# Altium PCB 10X SD CARD READER PCB.PcbDoc (part 3 of 4)
Units mm, origin at the board's own origin, x right, y up, seen from the top; angles counter-clockwise.
Board outline 157.35 x 86.61 mm, 6 copper layers (Top Layer, Int1_GND1, Int2 Sig1, Int3_PWR1, Int4_GND2, Bottom Layer), stack 1.538 mm thick; 309 components, 269 nets, 1221 pads, 584 vias.
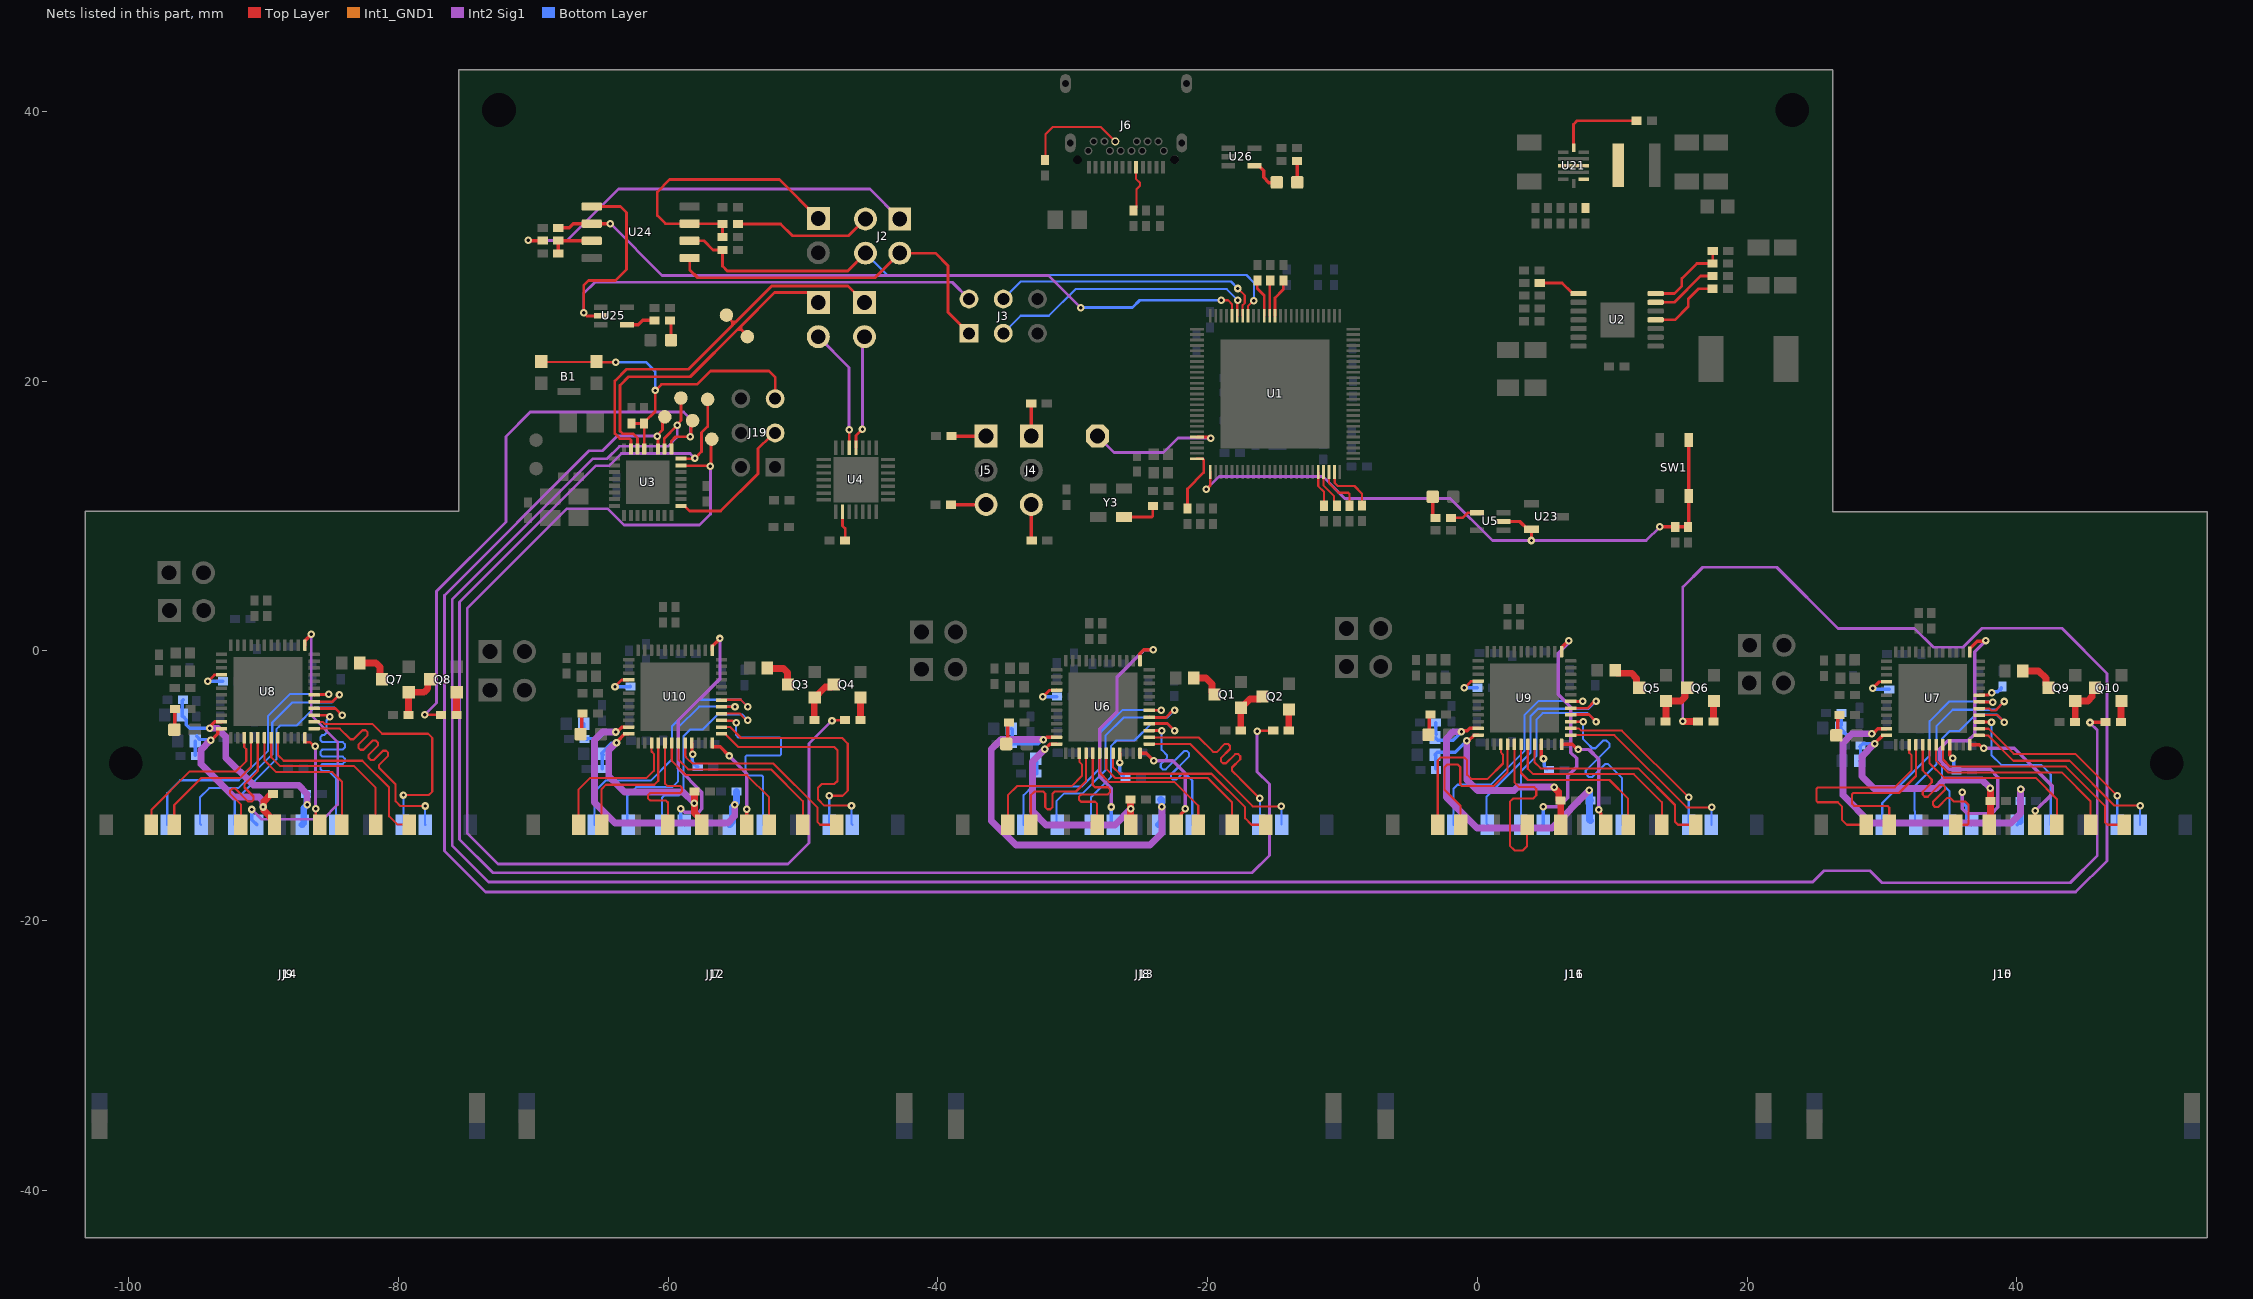
[diagram p7: the nets of this part, all layers, seen from the top]

## Via types
v1: diameter 0.559, hole 0.254, Top Layer to Bottom Layer, tented both sides, 572 vias
v2: diameter 0.457, hole 0.203, Top Layer to Bottom Layer, tented both sides, 12 vias

## Nets (pads, with @x,y where several pads share a name; then routed paths per layer and width w, separated by ;. In a path a pad name is that pad's centre, name@x,y a point inside that pad or via, vN(x,y) a via of type N, cw(c..) or ccw(c..) an arc to the next point about the centre after c; other vN are vias at no path point) (continued)
NetC133_2: C133.2 U6.33 | length 1.8
  Top Layer w0.254: v1(-26.515,-8.283) U6.33@-26.515,-7.598
  Bottom Layer w0.254: v1(-26.515,-8.283) -26.515,-8.995 -26.35,-9.16 -26.35,-9.177 -26.256,-9.271 C133.2@-26.238,-9.271
NetC134_2: C134.2 U10.33 | length 2
  Top Layer w0.254: U10.33@-58.236,-6.836 -58.236,-7.626 v1(-58.191,-7.671)
  Bottom Layer w0.254: v1@-58.2,-7.679 -58.2,-8.221 -58.058,-8.363 -58.058,-8.438 -57.885,-8.611 C134.2@-57.81,-8.611
NetC135_2: C135.2 U9.33 | length 2
  Top Layer w0.254: U9.33@4.741,-6.938 4.741,-7.84 4.902,-8.001 v1(4.904,-8.001)
  Bottom Layer w0.254: v1(4.904,-8.001) 4.963,-8.059 4.963,-8.544 5.07,-8.652 5.07,-8.669 5.164,-8.763 C135.2@5.182,-8.763
NetC140_2: C140.2 U7.43 | length 1.9
  Top Layer w0.254: U7.43@37.209,-3.278 37.88,-3.278 38.06,-3.099 v1(38.151,-3.099)
  Bottom Layer w0.254: v1(38.151,-3.099) 38.209,-3.04 38.573,-3.04 38.708,-2.905 38.768,-2.905 38.862,-2.812 C140.2@38.862,-2.718
NetC141_2: C141.2 U7.33 | length 2.1
  Top Layer w0.254: U7.33@35.024,-6.963 35.024,-7.744 v1(35.255,-7.976)
  Bottom Layer w0.254: v1(35.255,-7.976) 35.314,-8.034 35.314,-8.707 35.42,-8.814 C141.2@35.458,-8.814
NetD1_A: D1.A R16.1 | length 1.7
  Top Layer w0.254: D1.A@-3.307,11.426 -3.307,10.068 R16.1@-3.097,9.858
NetD2_A: D2.A R22.1 | length 1.5
  Top Layer w0.254: R22.1@-59.877,24.504 -59.793,24.42 D2.A@-59.793,23.038
NetD3_A: D3.A R36.1 | length 1.7
  Top Layer w0.254: D3.A@-13.355,34.737 -13.355,36.315 R36.1@-13.375,36.334 R36.1@-13.336,36.373
NetD3_C: D3.C U26.4 | length 2.5
  Top Layer w0.254: U26.4@-16.526,35.977 -16.216,35.977 -15.85,35.611 -15.85,35.103 -15.469,34.722 -14.891,34.722 D3.C@-14.875,34.737
NetD4_A: D4.A R53.1 | length 1.5
  Top Layer w0.254: D4.A@-96.596,-5.842 -96.594,-5.84 -96.594,-4.355 R53.1@-96.568,-4.329
NetD5_A: D5.A R54.1 | length 1.6
  Top Layer w0.254: D5.A@-34.874,-6.883 -34.821,-6.83 -34.821,-5.422 R54.1@-34.719,-5.32
NetD6_A: D6.A R75.1 | length 1.5
  Top Layer w0.254: R75.1@-66.342,-4.634 -66.419,-4.711 -66.419,-5.946 D6.A@-66.294,-6.071
NetD7_A: D7.A R56.1 | length 1.4
  Top Layer w0.254: D7.A@-3.632,-6.274 -3.554,-6.195 -3.554,-5.016 R56.1@-3.477,-4.939
NetD8_A: D8.A R67.1 | length 1.7
  Top Layer w0.254: D8.A@26.621,-6.274 26.736,-6.159 26.736,-4.689 R67.1@26.721,-4.674
NetJ1_1: J1.1 R17.1 R23.1 U24.7 | length 21.3
  Top Layer w0.203: R17.1@-55.976,30.672 R23.1@-55.976,31.642 -56.008,31.674 U24.7@-58.407,31.674 -60.198,31.674 -60.808,32.283 -60.808,34.036 -59.899,34.944 -51.759,34.944 J1.1@-48.87,32.055
NetJ4_1: J4.1 R7.2 | length 2.4
  Top Layer w0.254: R7.2@-33.081,18.325 -33.081,15.931 J4.1@-33.075,15.926
NetJ4_3: J4.3 R9.1 | length 2.7
  Top Layer w0.254: J4.3@-33.075,10.846 -33.075,8.225 R9.1@-33.043,8.193
NetJ5_1: J5.1 R8.2 | length 2.6
  Top Layer w0.254: R8.2@-39.005,15.94 -38.991,15.926 J5.1@-36.424,15.926
NetJ5_3: J5.3 R28.1 | length 2.6
  Top Layer w0.254: R28.1@-39.043,10.832 -39.029,10.846 J5.3@-36.424,10.846
NetJ6_A5: J6.A5 R68.2 | length 3.5
  Top Layer w0.158: R68.2@-25.451,32.69 -25.275,32.866 -25.275,34.232 -25.019,34.488 -25.019,34.696 -25.298,34.975 J6.A5@-25.298,35.86
NetJ6_B5: J6.B5 R69.2 | length 7.8
  Top Layer w0.158: R69.2@-32.029,36.347 -32.029,38.287 -31.477,38.839 -27.917,38.839 J6.B5@-26.848,37.77
NetJ17_2: J17.2 U4.25 | length 8.5
  Top Layer w0.203: U4.25@-46.076,15.062 -46.076,15.951 v1(-45.593,16.434)
  Int2 Sig1 w0.203: v1(-45.593,16.434) -45.593,23.139 J17.2@-45.441,23.292
NetJ18_2: J18.2 U4.26 | length 9.2
  Top Layer w0.203: v1(-46.584,16.383) -46.576,16.375 U4.26@-46.576,15.062
  Int2 Sig1 w0.203: J18.2@-48.87,23.292 -46.584,21.006 v1(-46.584,16.383)
NetL1_1: L1.1 U21.3
NetQ1_1: Q1.1 Q2.3 R43.2 | length 3.6
  Top Layer w0.508: R43.2@-17.542,-5.904 -17.542,-4.248 -16.863,-3.57 -16.125,-3.57 Q2.3@-15.934,-3.378
NetQ1_3: Q1.3 R71.1 | length 2.4
  Top Layer w0.508: R71.1@-21.039,-2.027 -20.11,-2.027 -19.813,-2.324 -19.669,-2.469 -19.669,-3.072 Q1.3@-19.49,-3.251
NetQ2_1: Q2.1 R44.2 | length 1.6
  Top Layer w0.254: Q2.1@-13.986,-4.375 Q2.1@-13.958,-4.347
  Top Layer w0.508: R44.2@-13.986,-5.904 Q2.1@-13.986,-4.375
NetQ3_1: Q3.1 Q4.3 R59.2 | length 3.5
  Top Layer w0.508: R59.2@-49.165,-5.142 -49.165,-3.486 -48.354,-2.675 -47.913,-2.675 Q4.3@-47.727,-2.489
NetQ3_3: Q3.3 R72.1 | length 2.5
  Top Layer w0.508: R72.1@-52.638,-1.271 -52.497,-1.271 -52.467,-1.301 -51.451,-1.301 -51.153,-1.599 -51.153,-2.448 Q3.3@-51.113,-2.489
NetQ4_1: Q4.1 R60.2 | length 1.7
  Top Layer w0.254: Q4.1@-45.751,-3.458 Q4.1@-45.736,-3.473
  Top Layer w0.508: R60.2@-45.736,-5.128 Q4.1@-45.736,-3.473
NetQ5_1: Q5.1 Q6.3 R61.2 | length 3.8
  Top Layer w0.508: R61.2@13.954,-5.243 13.982,-5.215 Q5.1@13.982,-3.712 15.094,-3.712 15.392,-3.415 15.392,-2.914 Q6.3@15.562,-2.743
NetQ5_3: Q5.3 R73.1 | length 2.6
  Top Layer w0.508: R73.1@10.209,-1.489 10.38,-1.66 11.423,-1.66 11.81,-2.047 11.81,-2.547 Q5.3@12.006,-2.743
NetQ6_1: Q6.1 R62.2 | length 1.5
  Top Layer w0.254: Q6.1@17.51,-3.74 Q6.1@17.538,-3.712
  Top Layer w0.508: R62.2@17.51,-5.229 Q6.1@17.51,-3.74
NetQ7_1: Q7.1 Q8.3 R63.2 | length 4
  Top Layer w0.508: R63.2@-79.264,-4.761 -79.264,-3.105 Q7.1@-79.236,-3.077 -78.123,-3.077 -77.826,-2.78 -77.826,-2.278 Q8.3@-77.656,-2.108
NetQ7_3: Q7.3 R70.1 | length 2.3
  Top Layer w0.508: R70.1@-82.884,-0.906 -81.679,-0.906 -81.382,-1.203 Q7.3@-81.382,-1.905
NetQ8_1: Q8.1 R64.2 | length 1.7
  Top Layer w0.508: R64.2@-75.708,-4.747 -75.708,-3.105 Q8.1@-75.68,-3.077
NetQ9_1: Q9.1 Q10.3 R65.2 | length 3.7
  Top Layer w0.508: R65.2@44.307,-5.269 44.335,-5.241 Q9.1@44.335,-3.712 45.279,-3.712 45.592,-3.399 45.592,-2.939 Q10.3@45.788,-2.743
NetQ9_3: Q9.3 R74.1 | length 2.6
  Top Layer w0.508: R74.1@40.437,-1.488 41.62,-1.488 42.163,-2.031 42.163,-2.547 Q9.3@42.266,-2.547
NetQ10_1: Q10.1 R66.2 | length 1.6
  Top Layer w0.254: Q10.1@47.736,-3.74 Q10.1@47.764,-3.712
  Top Layer w0.508: R66.2@47.736,-5.269 Q10.1@47.736,-3.74
NetR1_1: R1.1 U1.21 | length 2.7
  Top Layer w0.156: U1.21@-11.801,13.256 -11.801,12.212 -11.362,11.773 R1.1@-11.362,10.76
NetR2_1: R2.1 U1.22 | length 2.9
  Top Layer w0.156: U1.22@-11.401,13.256 -11.401,12.248 -10.638,11.485 -10.638,10.982 R2.1@-10.416,10.76
NetR3_1: R3.1 U1.23 | length 3.5
  Top Layer w0.156: U1.23@-11.001,13.256 -11.001,12.43 -10.29,11.719 -9.575,11.719 -9.483,11.628 R3.1@-9.483,10.76
NetR6_2: R6.2 U1.24 | length 4.1
  Top Layer w0.156: U1.24@-10.601,13.256 -10.578,13.233 -10.578,12.443 -10.354,12.22 -9.112,12.22 -8.559,11.667 R6.2@-8.559,10.764
NetR10_1: R10.1 Y3.3 | length 2.9
  Top Layer w0.203: Y3.3@-26.2,9.923 -24.144,9.923 -24.06,10.006 R10.1@-24.06,10.733
NetR11_2: R11.2 U1.100 | length 4.6
  Top Layer w0.203: R11.2@-21.489,10.544 -21.489,12.013 -20.295,13.208 -20.295,14.156 -20.386,14.247 U1.100@-20.792,14.247
NetR13_2: R13.2 U4.9 | length 2.2
  Top Layer w0.203: U4.9@-47.076,10.312 -47.076,9.265 -46.879,9.068 R13.2@-46.879,8.193
NetR14_2: R14.2 U6.16 | length 2.3
  Top Layer w0.203: v1(-32.223,-3.413) -31.735,-2.926 -31.212,-2.926 U6.16@-31.2,-2.913
  Bottom Layer w0.254: v1(-32.223,-3.413) -31.19,-3.413 R14.2@-31.176,-3.399
NetR16_2: R16.2 U5.4 | length 2.1
  Top Layer w0.203: R16.2@-1.947,9.858 -1.09,9.858 -0.707,10.241 U5.4@-0.02,10.241
NetR18_1: R18.1 R21.1 U24.3 | length 3.4
  Top Layer w0.254: R18.1@-68.152,29.473 R21.1@-68.152,30.417 -68.139,30.404 U24.3@-65.667,30.404
NetR22_2: R22.2 U25.4 | length 2.2
  Top Layer w0.254: U25.4@-63.049,24.181 -62.221,24.181 -61.898,24.504 R22.2@-61.007,24.504
NetR24_2: R24.2 U8.16 | length 2.4
  Top Layer w0.203: v1(-94.142,-2.27) -93.655,-1.783 -93.131,-1.783 U8.16@-93.119,-1.77
  Bottom Layer w0.254: v1(-94.142,-2.27) -93.039,-2.27 R24.2@-93.025,-2.256
NetR25_2: R25.2 U10.16 | length 2.4
  Top Layer w0.203: v1(-63.945,-2.651) -63.457,-2.164 -62.934,-2.164 U10.16@-62.921,-2.151
  Bottom Layer w0.254: v1(-63.945,-2.651) -62.813,-2.651 R25.2@-62.799,-2.637
NetR26_2: R26.2 U9.16 | length 2.2
  Top Layer w0.203: v1(-0.967,-2.753) -0.48,-2.265 0.044,-2.265 U9.16@0.056,-2.253
  Bottom Layer w0.254: v1(-0.967,-2.753) -0.013,-2.753 R26.2@0.001,-2.739
NetR27_2: R27.2 U7.16 | length 2.5
  Top Layer w0.203: v1(29.315,-2.778) 29.803,-2.291 30.326,-2.291 U7.16@30.339,-2.278
  Bottom Layer w0.254: v1(29.315,-2.778) 29.393,-2.856 R27.2@30.546,-2.856
NetR29_1: R29.1 U1.63 | length 2.9
  Top Layer w0.203: U1.63@-15.001,24.839 -15.001,26.173 -14.393,26.781 -14.393,27.448 R29.1@-14.388,27.452
NetR30_1: R30.1 U1.64 | length 2.6
  Top Layer w0.203: U1.64@-15.401,24.839 -15.401,27.407 R30.1@-15.356,27.452
NetR31_1: R31.1 U1.65 | length 2.8
  Top Layer w0.203: R31.1@-16.313,27.452 -16.317,27.448 -16.317,26.865 -15.801,26.348 U1.65@-15.801,24.839
NetR33_1: R33.1 U21.9 | length 6.5
  Top Layer w0.203: U21.9@7.136,37.301 7.136,39.039 7.405,39.308 R33.1@11.788,39.308
NetR35_1: R35.1 U21.7
NetR38_1: R38.1 R42.2 U2.7 | length 6.4
  Top Layer w0.203: U2.7@13.218,26.493 14.605,26.493 15.164,27.052 15.164,27.61 16.273,28.719 R42.2@17.45,28.719 17.45,29.655 R38.1@17.453,29.659
NetR39_2: R39.2 U2.8 | length 3.2
  Top Layer w0.203: R39.2@4.625,27.267 6.29,27.267 6.972,26.585 7.412,26.585 U2.8@7.504,26.493
NetR40_2: R40.2 U2.6 | length 5
  Top Layer w0.203: U2.6@13.218,25.843 14.6,25.843 16.546,27.789 R40.2@17.45,27.789
NetR41_2: R41.2 U2.4 | length 5.5
  Top Layer w0.203: U2.4@13.218,24.543 14.648,24.543 15.638,25.532 15.638,26.078 16.408,26.848 R41.2@17.45,26.848
NetTP1_1: TP1.1 U1.96 | length 10.4
  Top Layer w0.203: U1.96@-20.792,15.847 -19.943,15.847 -19.87,15.774 v1(-19.774,15.774)
  Int2 Sig1 w0.203: TP1.1@-28.169,15.926 -26.949,14.707 -23.266,14.707 -22.199,15.774 v1(-19.774,15.774)
"PD0 (RXD)": J18.1 RX.1 U3.30 | length 25.4
  Top Layer w0.203: U3.30@-62.281,14.961 -62.281,15.773 -62.611,16.104 -63.398,16.104 -63.576,16.281 -63.576,19.685 -62.941,20.32 -58.363,20.32 -54.721,23.962 ; -54.839,23.825 -54.837,23.824 -54.583,23.824 ; RX.1@-53.873,23.038 -53.873,23.114 -54.583,23.824 ; J18.1@-48.87,25.832 -49.614,26.576 -52.107,26.576 -54.585,24.099 ; -54.721,23.962 -54.585,23.825 ; -54.721,23.962 -54.585,24.099 ; -54.585,23.825 -54.585,24.099 ; -54.585,23.825 -54.583,23.824
"PD1 (TXD)": J17.1 TX.1 U3.31 | length 29.6
  Top Layer w0.203: U3.31@-62.763,14.961 -62.763,15.639 -62.857,15.732 -63.586,15.732 -63.957,16.104 -63.957,20.015 -63.094,20.879 -58.496,20.879 -55.232,24.143 -55.118,24.257 ; TX.1@-56.007,25.07 -55.931,25.07 -55.245,24.384 ; -55.245,24.155 -55.245,24.384 ; J17.1@-45.441,25.832 -46.661,27.053 -52.322,27.053 -54.991,24.384 ; -55.245,24.384 -54.991,24.384 ; -55.245,24.384 -55.118,24.257 ; -55.118,24.257 -54.991,24.384
RESET_N: C51.2 R15.2 SW1.1 SW1.2 U1.1 U5.2 U23.2 | length 49.5
  Top Layer w0.203: v1(-20.091,11.989) -19.801,12.279 U1.1@-19.801,13.256
  Top Layer w0.254: U5.2@1.93,9.591 3.15,9.591 3.734,9.007 U23.2@4.013,9.007 v1(4.013,8.179) ; v1(13.53,9.188) C51.2@14.672,9.188 R15.2@15.607,9.188 15.68,9.261 SW1.2@15.68,11.489 SW1.1@15.68,15.639
  Int2 Sig1 w0.203: v1(-20.091,11.989) -19.152,12.929 -11.455,12.929 -9.83,11.303 -2.007,11.303 1.118,8.179 v1(4.013,8.179) 12.521,8.179 v1(13.53,9.188)
RST: B1.3 B1.4 C30.2 J19.5 R12.2 U3.29 | length 27.1
  Top Layer w0.156: B1.4@-69.411,21.453 -69.37,21.412 B1.3@-65.278,21.412
  Top Layer w0.203: B1.3@-65.278,21.387 -65.259,21.406 v1(-63.874,21.406) ; C30.2@-62.726,16.849 R12.2@-61.791,16.849 ; U3.29@-61.773,14.961 -61.773,16.831 R12.2@-61.791,16.849 ; v1@-61.011,19.304 v1(-60.96,19.304) ; J19.5@-52.07,18.694 -52.07,20.29 -52.531,20.752 -56.871,20.752 -57.861,19.761 -60.503,19.761 v1(-60.96,19.304) ; R12.2@-61.791,16.849 -61.791,16.924 -60.96,17.755 v1(-60.96,19.304)
  Bottom Layer w0.203: v1(-63.874,21.406) -61.656,21.406 -60.96,20.71 v1(-60.96,19.304)
SCK: J19.3 U3.17 | length 10.2
  Top Layer w0.203: U3.17@-59.055,10.744 -58.801,10.744 -58.42,10.363 -56.107,10.363 -53.339,13.132 -53.339,14.987 -52.426,15.9 J19.3@-52.426,15.926
SD1: R60.1 SD1.1 U3.23 | length 84.1
  Top Layer w0.203: U3.23@-59.055,13.741 -59.03,13.716 -56.896,13.716 v1(-56.871,13.691) ; v1@-56.769,13.665 -56.82,13.716 -56.82,15.646 SD1.1@-56.769,15.697 ; v1@-47.803,-5.182 -47.776,-5.155 -46.912,-5.155 R60.1@-46.886,-5.128
  Int2 Sig1 w0.203: v1(-56.871,13.691) -56.871,10.135 -57.683,9.322 -63.271,9.322 -64.491,10.541 -67.513,10.541 -74.905,3.15 -74.905,-13.516 -72.604,-15.816 -51.122,-15.816 -49.555,-14.249 -49.555,-6.883 v1(-47.854,-5.182)
SD1_CD: J7.CD U10.1 | length 18.9
  Top Layer w0.254: U10.1@-56.736,0.034 -56.736,0.324 -56.159,0.9 v1(-56.159,0.914)
  Int2 Sig1 w0.254: v1(-59.08,-11.709) -59.045,-11.709 -58.779,-11.975 -57.748,-11.975 -57.496,-11.723 -57.496,-10.474 -59.258,-8.712 -59.258,-5.156 -56.159,-2.057 v1(-56.159,0.914) v1@-56.109,0.965
  Bottom Layer w0.254: v1(-59.08,-11.709) -59.08,-12.635 J7.CD@-58.815,-12.9
SD1_CLK: J7.5 U10.39 | length 15.7
  Top Layer w0.203: U10.39@-56.051,-5.151 -56.023,-5.18 -55.216,-5.18 -55.062,-5.334 v1(-54.966,-5.334)
  Bottom Layer w0.156: v1(-54.966,-5.334) -54.966,-6.244 -54.784,-6.426 -51.721,-6.426 -51.629,-6.518 -51.629,-7.681 -51.721,-7.772 -54.196,-7.772 -54.28,-7.856 -54.28,-9.162 -54.196,-9.246 -53.049,-9.246 -52.965,-9.329 J7.5@-52.965,-12.9
SD1_CMD: J7.2 U10.40 | length 15.6
  Top Layer w0.156: U10.40@-56.051,-4.651 -54.702,-4.651 -54.211,-5.142 v1(-54.102,-5.142)
  Bottom Layer w0.156: J7.2@-60.465,-12.9 -60.465,-10.91 -60.274,-10.719 -59.219,-10.719 -58.854,-10.353 -58.854,-6.32 -58.381,-5.847 -57.46,-5.847 -56.337,-4.724 -54.52,-4.724 v1(-54.102,-5.142)
SD1_D0: J7.7 U10.38 | length 17
  Top Layer w0.156: U10.38@-56.051,-5.651 -55.41,-5.651 -54.597,-6.464 -47.104,-6.464 -46.685,-6.883 -46.685,-10.363 -47.066,-10.744 v1(-48.057,-10.744)
  Bottom Layer w0.156: v1(-48.057,-10.744) -48.057,-12.884 J7.7@-48.04,-12.9
SD1_D1: J7.8 U10.37 | length 18
  Top Layer w0.156: U10.37@-56.051,-6.151 -55.761,-6.151 -55.71,-6.203 -55.71,-6.216 -54.782,-7.143 -47.67,-7.143 -47.447,-7.366 -47.447,-9.652 -47.676,-9.881 -48.616,-9.881 -48.895,-10.16 -48.895,-11.009 -48.423,-11.481 v1(-46.406,-11.481)
  Bottom Layer w0.156: v1(-46.406,-11.481) -46.406,-12.835 J7.8@-46.34,-12.9
SD1_D2: J7.9 U10.42 | length 20.5
  Top Layer w0.156: U10.42@-56.051,-3.651 -56.03,-3.63 -54.612,-3.63 v1(-54.102,-4.14)
  Bottom Layer w0.156: J7.9@-65.465,-12.9 -65.465,-10.449 -64.643,-9.627 -61.293,-9.627 -59.717,-8.051 -59.717,-5.6 -57.748,-3.63 -54.612,-3.63 v1(-54.102,-4.14)
SD1_D3: J7.1 U10.41 | length 16.2
  Top Layer w0.203: U10.41@-56.051,-4.151 -55.056,-4.151 v1(-55.045,-4.14)
  Bottom Layer w0.156: J7.1@-62.965,-12.9 -63.036,-12.83 -63.036,-10.77 -62.375,-10.109 -59.69,-10.109 -59.283,-9.702 -59.283,-5.714 -57.709,-4.14 v1(-55.045,-4.14)
SD1_VCC: C106.2 C146.2 C149.2 J7.4 U10.23 | length 26
  Top Layer w0.254: v1(-63.881,-6.02) -63.799,-6.02 -63.433,-5.654 -62.924,-5.654 U10.23@-62.921,-5.651
  Int2 Sig1 w0.508: v1(-63.881,-6.02) -64.872,-6.02 -65.456,-6.603 -65.456,-11.252 -63.932,-12.776 -55.58,-12.776 -55.067,-12.264 v1(-55.067,-11.405)
  Bottom Layer w0.254: C146.2@-66.261,-5.415 -66.261,-6.362 -66.044,-6.579 C149.2@-66.015,-6.579 ; C149.2@-66.091,-6.502 -65.202,-6.502 -64.719,-6.02 v1(-63.881,-6.02)
  Bottom Layer w0.508: J7.4@-55.465,-12.9 -55.219,-12.654 -55.219,-11.57 -55.067,-11.418 -55.067,-11.391 -54.924,-11.248 C106.2@-54.924,-10.436
SD2: R44.1 SD2.1 U3.24 | length 117.8
  Top Layer w0.203: U3.24@-59.055,14.249 -58.039,14.249 v1(-58.014,14.275) ; v1@-57.887,14.326 -57.897,14.336 -57.897,14.391 -57.523,14.765 -57.523,16.188 -57.074,16.637 SD2.1@-57.074,18.644 ; v1@-16.256,-5.944 -16.249,-5.937 -15.168,-5.937 R44.1@-15.136,-5.904
  Int2 Sig1 w0.203: v1(-58.014,14.275) -58.369,14.63 -63.475,14.63 -64.389,13.716 -65.38,13.716 -75.478,3.618 -75.478,-13.981 -73,-16.459 -16.698,-16.459 -15.418,-15.179 -15.418,-9.881 -16.332,-8.966 v1(-16.332,-5.969)
SD2_CD: J12.CD U10.36 | length 7.5
  Top Layer w0.254: U10.36@-56.736,-6.836 -56.736,-7.126 -56.733,-7.129 -56.143,-7.129 v1(-55.474,-7.798) v1@-55.448,-7.823 ; J12.CD@-54.165,-12.9 v1(-54.165,-11.747)
  Int2 Sig1 w0.254: v1(-55.474,-7.798) -54.165,-9.106 v1(-54.165,-11.747)
SD2_CLK: J12.5 U10.29 | length 10.8
  Top Layer w0.156: U10.29@-60.236,-6.836 -60.236,-9.511 -60.236,-9.853 -60.075,-10.014 -59.128,-10.014 -58.966,-10.175 -58.966,-10.39 -59.128,-10.551 -61.345,-10.551 -61.506,-10.713 -61.506,-10.928 -61.345,-11.089 -60.177,-11.089 -60.015,-11.25 -60.015,-11.328 J12.5@-60.015,-12.9
SD2_CMD: J12.2 U10.30 | length 11.7
  Top Layer w0.156: U10.30@-59.736,-6.836 -59.736,-8.158 -58.674,-9.22 -54.166,-9.22 -52.515,-10.871 J12.2@-52.515,-12.9
SD2_D0: J12.7 U10.28 | length 9.9
  Top Layer w0.156: J12.7@-64.94,-12.9 -64.94,-10.254 -64.618,-9.931 -61.036,-9.931 -60.736,-9.632 U10.28@-60.736,-6.836
SD2_D1: J12.8 U10.27 | length 10.8
  Top Layer w0.156: J12.8@-66.64,-12.9 -66.64,-11.1 ; -66.64,-11.028 -66.64,-10.278 -65.786,-9.423 -61.595,-9.423 -61.062,-8.89 -61.062,-7.645 -61.236,-7.471 U10.27@-61.236,-6.836
SD2_D2: J12.9 U10.32 | length 14.9
  Top Layer w0.156: U10.32@-58.736,-6.836 -58.736,-7.812 -58.701,-7.847 -58.701,-7.882 -58.403,-8.181 -58.367,-8.181 -58.191,-8.357 -52.197,-8.357 -48.92,-11.633 -48.92,-12.7 -48.72,-12.9 J12.9@-47.515,-12.9
SD2_D3: J12.1 U10.31 | length 13.5
  Top Layer w0.156: U10.31@-59.236,-6.836 -59.236,-8.074 -58.522,-8.788 -55.41,-8.788 -52.756,-8.788 -52.375,-8.788 -50.015,-11.148 J12.1@-50.015,-12.9
SD2_VCC: C47.2 C152.2 C155.2 J12.4 U10.24 | length 16
  Top Layer w0.254: v1(-63.833,-6.805) -63.833,-6.773 -63.211,-6.151 U10.24@-62.921,-6.151
  Top Layer w0.508: C47.2@-58.055,-10.436 v1(-58.055,-11.313) -58.055,-12.029 -57.761,-12.323 -57.761,-12.404 -57.632,-12.533 J12.4@-57.551,-12.533
  Int2 Sig1 w0.508: v1(-63.833,-6.805) -64.411,-7.383 -64.411,-9.3 -63.249,-10.461 -58.906,-10.461 v1@-58.065,-11.303
  Bottom Layer w0.254: C152.2@-64.94,-7.633 -64.94,-7.583 -64.22,-6.864 -63.81,-6.864 v1@-63.779,-6.833 ; C155.2@-64.885,-8.75 -64.885,-7.786 C152.2@-64.821,-7.722
SD3: R64.1 SD3.1 U3.25 | length 43.6
  Top Layer w0.203: v1(-78.054,-4.75) -78.053,-4.748 R64.1@-76.858,-4.747 R64.1@-76.858,-4.747 ; U3.25@-59.766,14.961 -59.766,15.545 -59.436,15.875 v1(-58.369,15.875) ; v1@-58.395,16.002 -58.338,16.002 -58.301,16.039 -58.301,16.959 SD3.1@-58.191,17.069